# KiCad board traffic_paradise.kicad_pcb (continued)
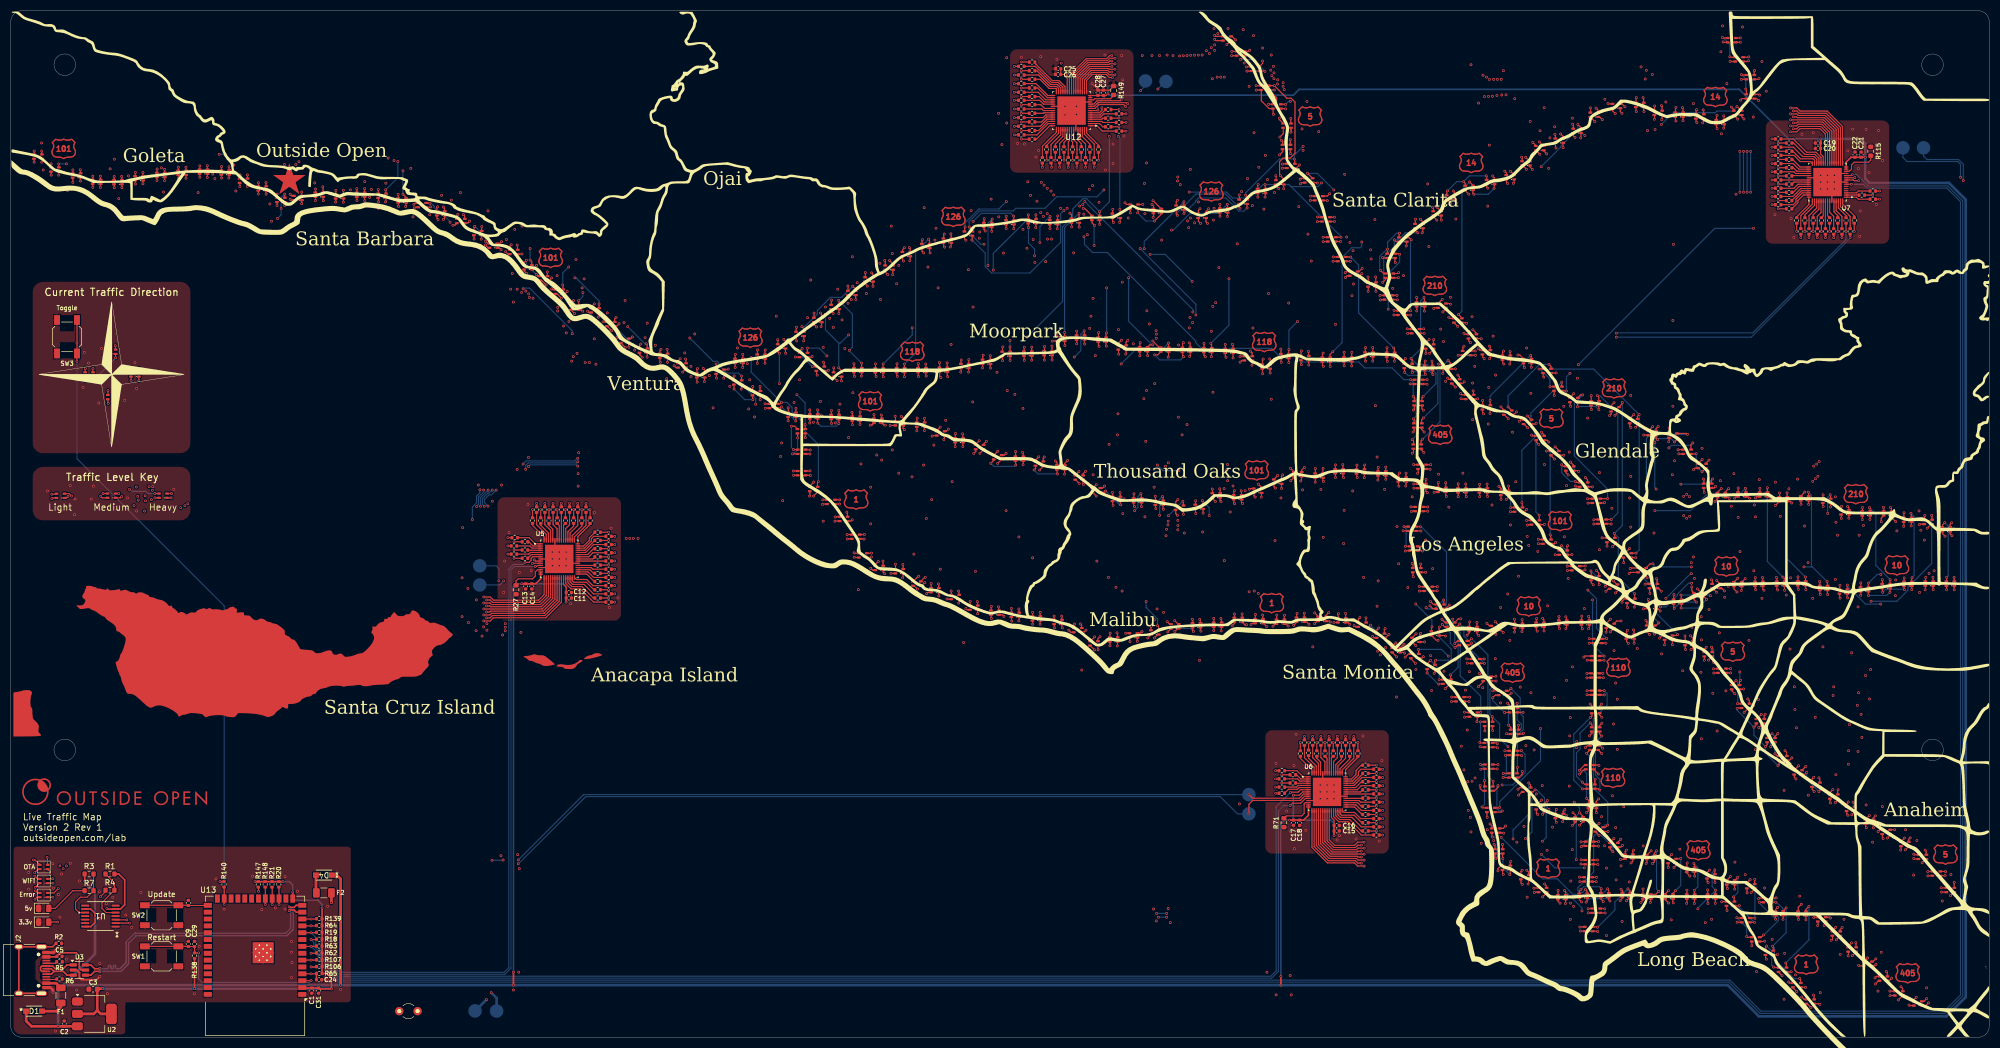
[diagram p0: board, top side]
## Routing (per net, layer and track width the routed paths; a pad name or vN(x,y) marks a point on that pad's centre or on a via; arc(x,y) is an arc through that point) (continued)
VBUS: length 13.1
  Top w0.305: C5.1 8.54,15.05 9.15,15.66 12.09,15.66 12.7,15.05 12.7,12.83 13.08,12.45 U3.5 ; 8.41,14.99 8.32,14.9 J2.A4
  Top w0.5: F1.1 8.42,10 J2.A9
/C+: length 7.1
  Top w0.29: J2.B6 7.51,11.7 8.01,12.2 ; J2.A6 7.51,12.7 8.01,12.2 ; U3.3 10.41,11.5 9.72,12.2 8.01,12.2
/C-: length 8.4
  Top w0.29: U3.1 10.41,13.4 9.66,12.65 8.28,12.65 7.73,13.2 J2.B7 5.75,13.2 5.5,12.95 5.5,12.45 5.75,12.2 J2.A7
/CC1: length 2
  Top w0.203: R5.1 8.23,13.7 J2.A5
/CC2: length 2
  Top w0.203: R6.1 8.41,10.7 J2.B5
/D+: length 51.6
  Top w0.29: U13.14 52.87,24.45 52.48,24.06 51.67,24.06 v1(51.56,24.17) ; v1(16.51,12.1) 16.41,12.2 15.54,12.2 14.83,11.5 U3.4
  Top w0.305: 13.89,11.55 U3.4
  Bottom w0.29: v1(16.51,12.1) 16.62,12.2 20.42,12.2 21.84,13.62 21.84,17.43 23.22,18.81 51.16,18.81 52.31,19.97 52.31,23.5 51.65,24.17 v1(51.56,24.17)
/D-: length 51.6
  Top w0.29: U13.13 52.87,23.18 52.48,23.57 51.67,23.57 v1(51.56,23.47) ; v1(16.51,12.8) 16.41,12.7 15.54,12.7 14.83,13.4 U3.6
  Bottom w0.29: v1(16.51,12.8) 16.62,12.7 17.91,12.7 arc(18.03,12.75) 18.09,12.88 18.09,13.13 arc(18.14,13.25) 18.27,13.31 18.36,13.31 arc(18.48,13.25) 18.54,13.13 18.54,12.88 arc(18.59,12.75) 18.72,12.7 18.81,12.7 arc(18.93,12.75) 18.99,12.88 18.99,13.13 arc(19.04,13.25) 19.17,13.31 19.26,13.31 arc(19.38,13.25) 19.44,13.13 19.44,12.88 arc(19.49,12.75) 19.62,12.7 20.22,12.7 21.34,13.82 21.34,17.63 23.01,19.3 50.95,19.3 51.83,20.17 51.83,23.21 51.57,23.47 v1(51.56,23.47)
/DIG_POT_OUT_3V: length 10.9
  Top w0.203: R1.2 19.2,28.59 19.2,27.25 16.9,24.95 16.9,23.85 17.65,23.1 U1.5
/DIG_POT_OUT_5V: length 10.6
  Top w0.203: U1.10 12.65,23.1 12,23.75 12,25.05 12.9,25.95 14.12,25.95 R7.1 R3.2
/EN: length 38.8
  Top w0.203: v1(34.8,15.63) R138.2 C29.1 C9.2 32.85,16.84 SW1.2 ; U13.3 v1(55.63,10.48)
  Bottom w0.203: v1(55.63,10.48) 55.31,10.17 35.43,10.17 34.8,10.8 v1(34.8,15.63)
/INT1: length 124.6
  Top w0.203: U5.7 96.67,89.05 96.39,88.78 96.39,88.4 96.01,88.02 v1(95.25,88.02) ; U13.10 v1(55.63,19.37) 56.58,19.37 56.64,19.44
  Bottom w0.203: v1(55.63,19.37) 56.5,18.5 56.5,16.98 61.46,12.03 91.39,12.03 92.26,12.89 92.26,86.81 93.1,87.66 94.89,87.66 v1(95.25,88.02)
/INT2: length 221.9
  Top w0.203: U13.8 v1(55.63,16.83) 56.58,16.83 56.64,16.9 ; 238.91,45.87 238.46,45.42 237.12,45.42 v1(237.03,45.34) ; U6.7 238.91,45.87
  Bottom w0.203: v1(237.03,45.34) 234.42,42.72 234.42,12.3 233.41,11.3 61.16,11.3 v1(55.63,16.83)
/INT3: length 482.9
  Top w0.203: U7.7 v1(340.98,158.1) ; U13.6 v1(55.63,14.29) 56.58,14.29 56.64,14.36
  Bottom w0.203: v1(340.98,158.1) 343.21,158.1 343.93,157.38 358.65,157.38 361.19,154.84 361.19,7.83 358.19,4.83 324.23,4.83 318.49,10.57 60.85,10.57 57.14,14.29 v1(55.63,14.29)
/INT4: length 302
  Top w0.203: R148.2 47.16,27.78 U13.19 v1(47.16,24.6) ; v1(202.13,172.26) 202.13,171.8 201.67,171.35 U12.7
  In1.Cu w0.203: v1(96.74,136.99) 97.24,137.49 98.36,137.49 101.25,134.6 v1(101.31,134.6) ; v1(191.41,157.94) 193.31,157.94 194.35,156.9 199.55,156.9 v1(199.8,157.15)
  In2.Cu w0.203: v1(202.13,172.26) 202.13,171.38 201.1,170.35 201.1,166.85 202.2,165.75 202.2,161.51 199.8,159.11 v1(199.8,157.15) ; v1(47.16,24.6) 47.16,30.23 49.33,32.41 87.75,32.41 89.36,34.02 89.36,98.02 96.9,105.55 96.9,136.83 v1(96.74,136.99) ; v1(191.41,157.94) 191.41,154.84 190.66,154.09 186.32,154.09 186.15,153.91 173.76,153.91 169.1,149.25 165.4,149.25 158.9,142.75 156.2,142.75 149.3,135.85 148.4,135.85 143,130.45 136.4,130.45 134.6,128.65 125.5,128.65 123.9,130.25 116.7,130.25 109.9,137.05 103.97,137.05 101.52,134.6 v1(101.31,134.6)
/IO0: length 11.7
  Top w0.203: U13.27 36.47,24.42 C10.2 32.85,24.46 SW2.2
/Matrix 1/COL0: length 518.9
  Top w0.203: 165.29,114.2 165.29,114.73 v1(164.98,115.05) ; 165.29,86.76 165.29,87.58 v1(165.25,87.62) ; v1(102.25,139.4) 102.3,139.35 102.3,138.58 ; 73.19,155.5 73.19,155.71 v1(72.65,156.25) ; v1(147.15,113.55) 147.16,113.54 147.16,112.72 ; v1(199.1,104.9) 198.62,104.42 198.62,104.14 ; 19.4,119.05 19.4,119.78 v1(19.35,119.83) ; 198.36,75.84 198.36,76.39 v1(198.15,76.6) ; U5.21 100.8,81.17 98.61,78.97 88.9,78.97 88.75,78.82 v1(88.14,78.82) ; v1(231.12,102.5) 231.69,101.94 231.69,101.7 ; v1(5.73,164.25) 5.73,164.25 5.73,163.62 ; 40.43,160.68 v1(40.43,161.35) ; v1(132.9,123.85) 132.8,123.75 132.1,123.75
  In1.Cu w0.203: 162.56,114.77 157.88,119.45 v1(156,119.45) ; 162.56,114.77 161.43,113.64 161.43,112.03 165.25,108.21 165.25,98.11 ; 162.56,114.77 162.76,114.58 164.5,114.58 v1(164.98,115.05) ; v1(166.95,103.86) 166.95,99.81 165.25,98.11 ; v1(32.25,98.51) 31.52,99.23 26.46,99.23 v1(26.05,99.64) ; 165.25,98.11 v1(165.25,87.62) ; v1(71,162.5) 71,162.25 v1(72.65,160.59) ; v1(225.16,105.02) 226.69,103.49 230.14,103.49 v1(231.12,102.5) ; v1(132.9,123.85) 132.44,123.39 128.05,123.39 127.75,123.69 127.75,124.66 110.56,141.85 104.7,141.85 v1(102.25,139.4) ; v1(199.1,104.9) 197.41,103.21 197.41,77.34 v1(198.15,76.6)
  In2.Cu w0.203: v1(166.95,103.86) 196.02,103.86 197.95,105.79 199.99,105.79 ; 40.43,162.21 40.23,162.41 31.44,162.41 28.73,159.7 23.17,159.7 22.5,159.03 18.52,159.03 16.95,160.6 13.77,160.6 ; 40.43,162.21 49.4,162.21 50.86,160.76 72.48,160.76 v1(72.65,160.59) ; 40.43,162.21 v1(40.43,161.35) ; 199.99,105.79 200.25,106.05 v1(212.39,106.05) ; 199.99,105.79 v1(199.1,104.9) ; v1(156,119.45) 145.98,119.45 v1(145.62,119.09) 141.3,119.09 137.26,123.12 133.63,123.12 v1(132.9,123.85) ; v1(32.25,98.51) 32.4,98.36 85.49,98.36 87.18,96.67 87.18,83.42 85.62,81.85 85.62,80.32 87.11,78.82 v1(88.14,78.82) ; v1(225.16,105.02) v1(216.4,105.02) ; v1(5.73,164.25) 7.22,164.25 10.12,161.35 13.02,161.35 13.77,160.6 ; 13.77,160.6 13.77,158.13 20,151.9 20,120.79 19.35,120.14 v1(19.35,119.83) 17.54,118.01 17.54,117.27 16.44,116.17 16.44,109.09 23.04,102.49 23.65,102.49 26.05,100.09 v1(26.05,99.64) ; v1(71,162.5) 71.32,162.83 76.25,162.83 88.83,150.25 93.57,150.25 94.29,149.53 96.24,149.53 103,142.76 v1(103.35,142.76)
  Bottom w0.203: v1(212.39,106.05) 213.43,105.02 v1(216.4,105.02) ; v1(147.15,113.55) 147.15,117.55 v1(145.62,119.09) ; v1(102.25,139.4) 102.25,141.66 v1(103.35,142.76) ; v1(72.65,156.25) v1(72.65,160.59)
/Matrix 1/COL1: length 512.9
  Top w0.203: v1(77.63,154.53) 77.52,154.63 76.9,154.63 ; v1(87.63,78.27) 88.77,78.27 89.07,78.57 98.77,78.57 98.83,78.62 ; 201.82,101.8 202.28,101.8 v1(202.62,102.15) ; U5.22 101.2,80.99 98.83,78.62 ; v1(235.62,104.23) 235.4,104 235.4,103.38 ; 105.2,135.63 105.2,136.52 v1(105.2,136.53) ; 8.88,161.24 8.88,161.87 v1(8.88,161.88) ; v1(43.85,159.82) 43.83,159.8 43.83,159.15 ; v1(148.1,108.85) 148.04,108.91 147.21,108.91 ; v1(201.78,74.23) 201.36,73.81 201.36,73.4 ; 169.25,113.94 169.25,114.72 v1(169.25,114.73) ; 15.2,123.25 15.2,123.9 v1(15.23,123.93) ; 135.37,121.77 135.37,122.53 v1(135.35,122.55) ; 98.83,78.62 98.8,78.59 ; 168.54,84.48 169.31,85.25 v1(169.4,85.25)
  In1.Cu w0.203: v1(24.89,100.34) 25.47,99.76 25.47,99.17 25.99,98.65 30.97,98.65 v1(31.47,98.14) ; v1(202.62,102.15) 202.68,102.15 203.35,101.47 v1(203.35,85.23) 203.35,75.8 v1(201.78,74.23) ; v1(213.9,105.83) 213.9,106.67 214.21,106.98 236.35,106.98 237.6,105.73 237.6,105.25 236.58,104.23 v1(235.62,104.23) ; v1(169.4,85.25) 169.06,84.91 166.38,84.91 165.44,85.86 164.96,85.86 163.3,87.52 v1(163.3,108.85) ; v1(43.85,159.82) 42.02,161.65 v1(41.32,161.65) ; v1(148.1,108.85) 148.5,109.25 148.5,110.56 147.37,111.69 143.41,111.69 138.73,116.37 137.98,117.12 v1(137.98,117.33)
  In2.Cu w0.203: v1(125.78,129.61) 124.41,130.98 117,130.98 110.2,137.78 106.22,137.78 v1(105.98,138.02) 95.56,148.44 86.4,148.44 83.78,151.06 v1(81.37,151.06) ; v1(213.9,105.83) 210.22,102.15 v1(202.62,102.15) ; v1(148.1,108.85) v1(163.3,108.85) 163.38,108.85 v1(169.25,114.73) ; v1(31.47,98.14) 31.62,98 85.34,98 86.82,96.52 86.82,83.57 85.25,82 85.25,80.17 87.15,78.27 v1(87.63,78.27) ; v1(10.32,161.88) 13.01,161.88 13.34,161.55 25.24,161.55 25.71,162.02 27.75,162.02 29.22,163.5 38.45,163.5 v1(38.6,163.65) ; v1(41.32,161.65) 49.45,161.65 50.71,160.4 71.75,160.4 v1(77.63,154.53) ; v1(8.88,161.88) 9,161.88 19.27,151.6 19.27,128.82 15.23,124.77 v1(15.23,123.93) 15.71,123.44 15.71,108.79 23.05,101.45 23.8,101.45 24.89,100.36 v1(24.89,100.34) ; v1(169.4,85.25) 169.42,85.23 v1(203.35,85.23)
  Bottom w0.203: v1(41.32,161.65) 39.32,163.65 v1(38.6,163.65) ; v1(81.37,151.06) 81.37,151.19 79.36,153.21 79.01,153.21 78.42,153.8 78.42,154.03 77.92,154.53 v1(77.63,154.53) ; v1(105.2,136.53) 105.98,137.3 v1(105.98,138.02) ; v1(10.32,161.88) 8.88,161.88 v1(8.88,161.88) ; v1(137.98,117.33) 137.99,117.34 137.99,118.39 135.35,121.03 v1(135.35,122.55) 134.81,123.09 132.64,123.09 131.16,124.56 131.16,124.99 130.86,125.29 130.1,125.29 v1(125.78,129.61)
/Matrix 1/COL2: length 521.9
  Top w0.203: LED39.2 138.8,119.85 v1(138.8,120.62) 138.83,120.6 ; 80.35,153.11 80.35,153.65 v1(80.13,153.88) ; v1(148.05,104.98) 148.03,104.95 147.21,104.95 ; 47.28,157.73 47.28,158.39 v1(47.28,158.4) ; 12.89,160.12 12.89,160.76 v1(12.88,160.78) ; v1(173.68,112.7) 173.29,112.32 172.96,112.32 ; 171.9,83.26 171.9,83.95 v1(171.83,84.03) ; U5.23 101.6,80.82 98.97,78.19 98.94,78.16 89.24,78.16 88.79,77.72 v1(88.14,77.72) ; 138.83,119.78 139,119.75 ; 205.02,74.12 205.02,74.86 v1(204.93,74.95) ; 205.53,100.18 205.53,100.92 v1(205.5,100.95) ; v1(108.98,135.9) 108.96,135.88 108.96,135.13 ; 239.1,104.75 239.1,105.08 v1(239.62,105.6) ; v1(19.35,128.18) 19.4,128.12 19.4,127.45
  In1.Cu w0.203: v1(148.05,104.98) 148.05,106.57 145.19,109.44 145.15,109.44 138.58,116 136.94,117.65 136.94,118.77 ; 136.94,118.77 v1(138.8,120.62) ; 136.94,118.77 123.49,118.77 115.57,126.69 v1(115.57,127.36) ; v1(205.5,100.95) 205.5,107.86 ; 205.5,107.86 208.63,110.99 234.24,110.99 v1(239.62,105.6) ; 205.5,107.86 v1(203.46,109.89) ; v1(22.82,98.53) 22.6,98.75 22.6,101.33 v1(23.25,101.98) ; v1(12.88,160.78) 13.4,160.25 20.74,160.25 22.3,161.81 28.92,161.81 29.29,162.18 43.49,162.18 v1(47.28,158.4) 50.62,161.75 v1(50.7,161.75) ; v1(206.24,99.78) 205.96,99.78 204.73,98.55 v1(204.73,83.4) 204.93,83.2 v1(204.93,74.95)
  In2.Cu w0.203: v1(50.7,161.75) 51.32,161.13 72.87,161.13 v1(80.13,153.88) 83.65,153.88 86.49,151.03 86.49,150.24 87.56,149.16 96.09,149.16 v1(104.5,140.75) ; v1(204.73,83.4) 172.45,83.4 v1(171.83,84.03) ; v1(203.46,109.89) 178.37,109.89 178.08,110.19 176.22,110.19 175.1,111.31 174.82,111.31 173.55,112.58 ; v1(88.14,77.72) 87.19,77.72 84.89,80.02 84.89,82.15 86.46,83.72 86.46,96.37 85.19,97.63 25.64,97.63 25.17,98.09 24.39,98.09 23.95,98.53 v1(22.82,98.53) ; v1(23.25,101.98) 23.04,101.98 16.07,108.94 16.07,116.32 17.18,117.42 17.18,118.16 18.84,119.83 18.84,127.66 v1(19.35,128.18) 19.64,128.46 19.64,151.75 13.41,157.98 13.41,160.24 v1(12.88,160.78) ; v1(205.5,100.95) 205.5,100.51 v1(206.24,99.78) ; v1(148.05,104.98) 151.51,108.43 162.78,108.43 162.93,108.28 163.66,108.28 163.84,108.46 166.57,108.46 170.65,112.54 173.51,112.54 173.55,112.58 ; 173.55,112.58 v1(173.68,112.7)
  Bottom w0.203: v1(104.5,140.75) 104.69,140.75 108.98,136.47 v1(108.98,135.9) 108.98,134.61 115.57,128.01 v1(115.57,127.36)
/Matrix 1/COL3: length 510.4
  Top w0.203: 23.7,123.25 v1(23.7,123.98) ; v1(209.35,100.75) 209.44,100.66 209.44,99.92 ; v1(176.33,111.83) 176.37,111.78 176.37,111.05 ; v1(142.78,117.65) 142.52,117.4 141.98,117.4 ; v1(83.83,152.47) 84.06,152.24 84.06,151.69 ; v1(50.75,156.28) 50.74,156.26 50.74,155.6 ; 243.07,104.49 243.07,105.39 v1(243.1,105.43) ; v1(149.6,102.98) 149.44,102.82 149.44,102 ; v1(209.55,75.2) 209.23,74.88 208.68,74.88 ; U5.24 102,80.64 99.14,77.78 99.11,77.75 89.41,77.75 88.81,77.16 v1(87.63,77.16) ; 111.85,132.59 111.85,133.13 v1(112.13,133.4) ; v1(175.55,82.7) 175.66,82.59 175.66,81.99 ; 16.6,158.95 v1(16.6,159.6)
  In1.Cu w0.203: v1(25.63,102.04) 25.37,101.78 23.93,101.78 22.96,100.81 22.96,99.35 v1(24.79,97.52) ; v1(208.18,97.59) 205.87,95.27 v1(205.87,82.7) 209.55,79.02 v1(209.55,75.2) ; v1(209.35,100.75) 209.39,100.79 212.25,100.79 212.81,100.23 212.81,100.01 213.13,99.69 214.79,99.69 217.69,102.58 226,102.58 v1(226.41,102.17) ; v1(124.85,126.83) 118.28,133.4 v1(112.13,133.4) 112.13,133.47 109.19,136.41 109.04,136.41 106.57,138.88 v1(105.83,138.88) ; v1(175.55,82.7) 174.39,83.86 v1(174.39,102.98) 174.39,109.89 v1(176.33,111.83) ; v1(83.83,152.47) 83.26,153.04 82.35,153.04 80.35,151.04 70.71,151.04 v1(68.1,153.65)
  In2.Cu w0.203: 17.2,155.85 17.2,155.22 20.36,152.05 20.36,120.69 20.39,120.66 ; 17.2,155.85 17.7,156.35 23.5,156.35 25.2,158.05 29.1,158.05 29.6,158.55 35.29,158.55 41.88,151.96 49.19,151.96 v1(49.4,151.75) ; 17.2,155.85 17.2,159 v1(16.6,159.6) ; v1(226.41,102.17) 230.38,106.13 242.4,106.13 v1(243.1,105.43) ; v1(175.55,82.7) v1(205.87,82.7) ; 20.39,120.66 20.39,106.17 23.34,103.22 23.97,103.22 25.15,102.04 v1(25.63,102.04) ; 20.39,120.66 v1(23.7,123.98) ; v1(149.6,102.98) v1(174.39,102.98) ; v1(137.16,125.96) 133.95,125.96 133.08,126.83 v1(124.85,126.83) ; v1(105.83,138.88) 105.62,138.88 95.71,148.8 86.72,148.8 85.39,150.13 85.39,150.69 85.57,150.87 85.57,151.42 84.51,152.47 v1(83.83,152.47) ; v1(24.79,97.52) 25.23,97.52 25.48,97.27 85.04,97.27 86.09,96.21 86.09,83.87 84.53,82.3 84.53,79.87 87.23,77.16 v1(87.63,77.16) ; v1(68.1,153.65) v1(50.08,153.65)
  Bottom w0.203: v1(137.16,125.96) 137.16,123.26 v1(142.78,117.65) 143.81,117.65 144.73,116.74 144.73,115.96 146.55,114.14 146.55,112.9 149.6,109.84 v1(149.6,102.98) ; v1(50.75,156.28) 50.08,155.6 v1(50.08,153.65) 50.08,152.43 v1(49.4,151.75) ; v1(209.35,100.75) 208.8,100.2 208.8,98.2 v1(208.18,97.59)
/Matrix 1/COL4: length 596.7
  Top w0.203: v1(153.58,99.6) 153.56,99.62 152.64,99.62 ; 6.8,26.75 8,26.75 v1(8.8,27.55) ; 87.21,149.45 87.21,150.21 v1(87.25,150.25) ; v1(180.73,110.45) 180.18,109.9 180.18,109.78 ; 212.64,75.44 212.64,76.06 v1(212.43,76.28) ; v1(20.55,159.55) 20.56,159.54 20.56,158.9 ; 145.43,115.77 145.43,116.55 v1(145.45,116.58) ; v1(53.89,156.65) 53.89,155.95 ; v1(213.35,100.2) 213.45,100.1 213.45,99.46 ; v1(115.15,129.8) 114.84,129.49 114.44,129.49 ; 246.78,105.31 246.78,106.1 v1(246.75,106.12) ; v1(87.63,79.38) 98.44,79.38 98.46,79.4 100.4,81.34 U5.20 ; 179.11,80.01 179.11,80.69 v1(179.05,80.75)
  In1.Cu w0.203: 110.74,131.31 110.93,131.5 113.25,131.5 114.95,129.8 v1(115.15,129.8) ; 110.74,131.31 100.07,131.31 93.8,137.58 v1(93.8,138.65) 94.04,138.89 94.04,144.15 91.25,146.94 90.56,146.94 v1(87.25,150.25) ; 110.74,131.31 110.74,130.2 125.98,114.96 v1(137.79,114.96) ; v1(148.68,113.98) 148.86,113.79 148.86,109.29 150.19,107.97 150.19,102.99 v1(153.58,99.6) ; v1(52.82,161.76) 52.82,157.72 v1(53.89,156.65) ; v1(212.83,96.75) 210.32,94.24 v1(210.32,80.75) ; v1(210.26,110.45) 212.91,107.8 212.91,106.09 215.92,103.08 ; v1(213.35,100.2) 215.92,102.77 215.92,103.08 ; 215.92,103.08 225.34,103.08 v1(225.41,103.15) ; v1(87.63,79.38) 87.19,79.38 85.73,80.84 85.73,82.12 v1(84.67,83.18) ; v1(20.55,159.55) 22.45,161.45 27.6,161.45 v1(27.9,161.15)
  In2.Cu w0.203: 148.68,114.51 146.62,116.58 v1(145.45,116.58) 143.83,114.96 v1(137.79,114.96) ; 148.68,114.51 162.32,114.51 163.49,115.69 175.49,115.69 v1(180.73,110.45) v1(210.26,110.45) ; 148.68,114.51 v1(148.68,113.98) ; v1(27.9,161.15) 29.52,162.77 51.8,162.77 v1(52.82,161.76) 76.29,161.76 87.25,150.8 v1(87.25,150.25) ; v1(84.67,83.18) 85.73,84.23 85.73,95.72 v1(85.5,95.95) 84.54,96.91 22.86,96.91 21.09,98.67 10.88,98.67 5.33,93.12 5.33,35.52 8.5,32.35 8.5,27.85 v1(8.8,27.55) ; v1(93.8,138.65) 93.76,138.61 93.76,136.62 94.72,135.65 94.72,109.28 86.91,101.47 v1(86.91,101.47) ; v1(246.75,106.12) 245.95,106.92 229.18,106.92 v1(225.41,103.15) ; v1(179.05,80.75) v1(210.32,80.75)
  Bottom w0.203: v1(212.83,96.75) 212.83,99.68 v1(213.35,100.2) ; v1(85.5,95.95) 85.5,98.27 86.28,99.05 86.28,100.29 86.91,100.92 v1(86.91,101.47) ; v1(212.43,76.28) 212.43,77.53 210.32,79.64 v1(210.32,80.75)
/Matrix 1/COL5: length 566.9
  Top w0.203: v1(182.98,79.78) 183.02,79.73 183.02,79.09 ; v1(149.45,116.28) 149.44,116.27 149.44,115.47 ; 117.9,127.66 117.9,128.33 v1(117.7,128.53) ; v1(217.12,99.35) 217.21,99.27 217.21,98.55 ; 57.85,156.56 57.85,157.57 v1(57.8,157.62) ; v1(250.82,106.05) 250.74,105.96 250.74,105.26 ; v1(184.38,108.23) 184.05,107.9 183.53,107.9 ; v1(6.73,33.34) 6.8,33.27 6.8,31.95 ; 154.98,96.47 154.98,97.22 v1(154.88,97.33) ; U5.19 100,81.52 98.27,79.79 88.9,79.79 88.75,79.93 v1(88.14,79.93) ; 216.35,76.55 216.27,76.55 v1(215.62,77.2) ; 24.47,159.61 v1(24.47,160.27) ; v1(90.9,147.45) 90.56,147.11 90.11,147.11
  In1.Cu w0.203: v1(224.77,101.68) 222.39,99.3 221.49,99.3 221.1,98.9 217.57,98.9 v1(217.12,99.35) ; v1(154.88,97.33) 154.88,99.06 150.55,103.38 150.55,114.84 v1(150.19,115.2) ; v1(215.62,77.2) 215.27,77.56 212.05,77.56 v1(211.86,77.37) 211.8,77.43 211.8,94.02 v1(214.44,96.66) ; v1(53.38,162.27) 53.38,162.04 v1(57.8,157.62) ; v1(117.7,128.53) 119.09,127.13 119.09,125.54 123.72,120.91 128.68,120.91 130.5,122.74 132.3,122.74 132.67,123.1 137.65,123.1 138.46,122.29 143.44,122.29 v1(149.45,116.28) ; v1(102.4,131.82) 101.78,132.44 99.45,132.44 94.58,137.31 94.58,138.09 ; v1(94.63,138.04) 94.58,138.09 ; 94.58,138.09 94.4,138.27 94.4,144.3 91.25,147.45 v1(90.9,147.45) 81.55,156.8 71.59,156.8 70.59,155.81 66.6,155.81 v1(66.47,155.68) ; v1(184.38,108.23) v1(184.38,97.6) 184.38,81.18 v1(182.98,79.78)
  In2.Cu w0.203: v1(154.88,97.33) 155.15,97.6 v1(184.38,97.6) ; v1(88.43,101.41) 88.43,101.96 95.45,108.98 95.45,135.95 94.48,136.92 94.48,137.89 v1(94.63,138.04) ; v1(66.47,155.68) 59.74,155.68 v1(57.8,157.62) ; v1(24.48,160.28) 25.86,161.66 27.9,161.66 29.37,163.14 52.51,163.14 v1(53.38,162.27) ; v1(102.4,131.82) 102.51,131.71 v1(114.28,131.71) ; v1(224.77,101.68) 229.64,106.56 242.69,106.56 243.73,105.52 250.29,105.52 v1(250.82,106.05) ; v1(182.98,79.78) 184.9,77.85 189.69,77.85 190.18,77.37 v1(211.86,77.37) ; v1(88.14,79.93) 87.45,79.93 86.75,80.63 86.75,81.96 87.91,83.12 87.91,97.49 v1(86.98,98.43) 86.32,99.08 33.49,99.08 33.12,99.45 32.05,99.45 31.21,98.61 30.6,98 25.79,98 25.32,98.46 24.54,98.46 23.96,99.04 10.73,99.04 4.96,93.27 4.96,35.11 v1(6.73,33.34)
  Bottom w0.203: v1(114.28,131.71) 117.47,128.53 v1(117.7,128.53) ; v1(86.98,98.43) 87,98.45 87,99.99 v1(88.43,101.41) ; v1(217.12,99.35) v1(214.44,96.66) ; v1(150.19,115.2) 149.45,115.94 v1(149.45,116.28)
